# KiCad board KlusterLab r2.0.kicad_pcb (continued)
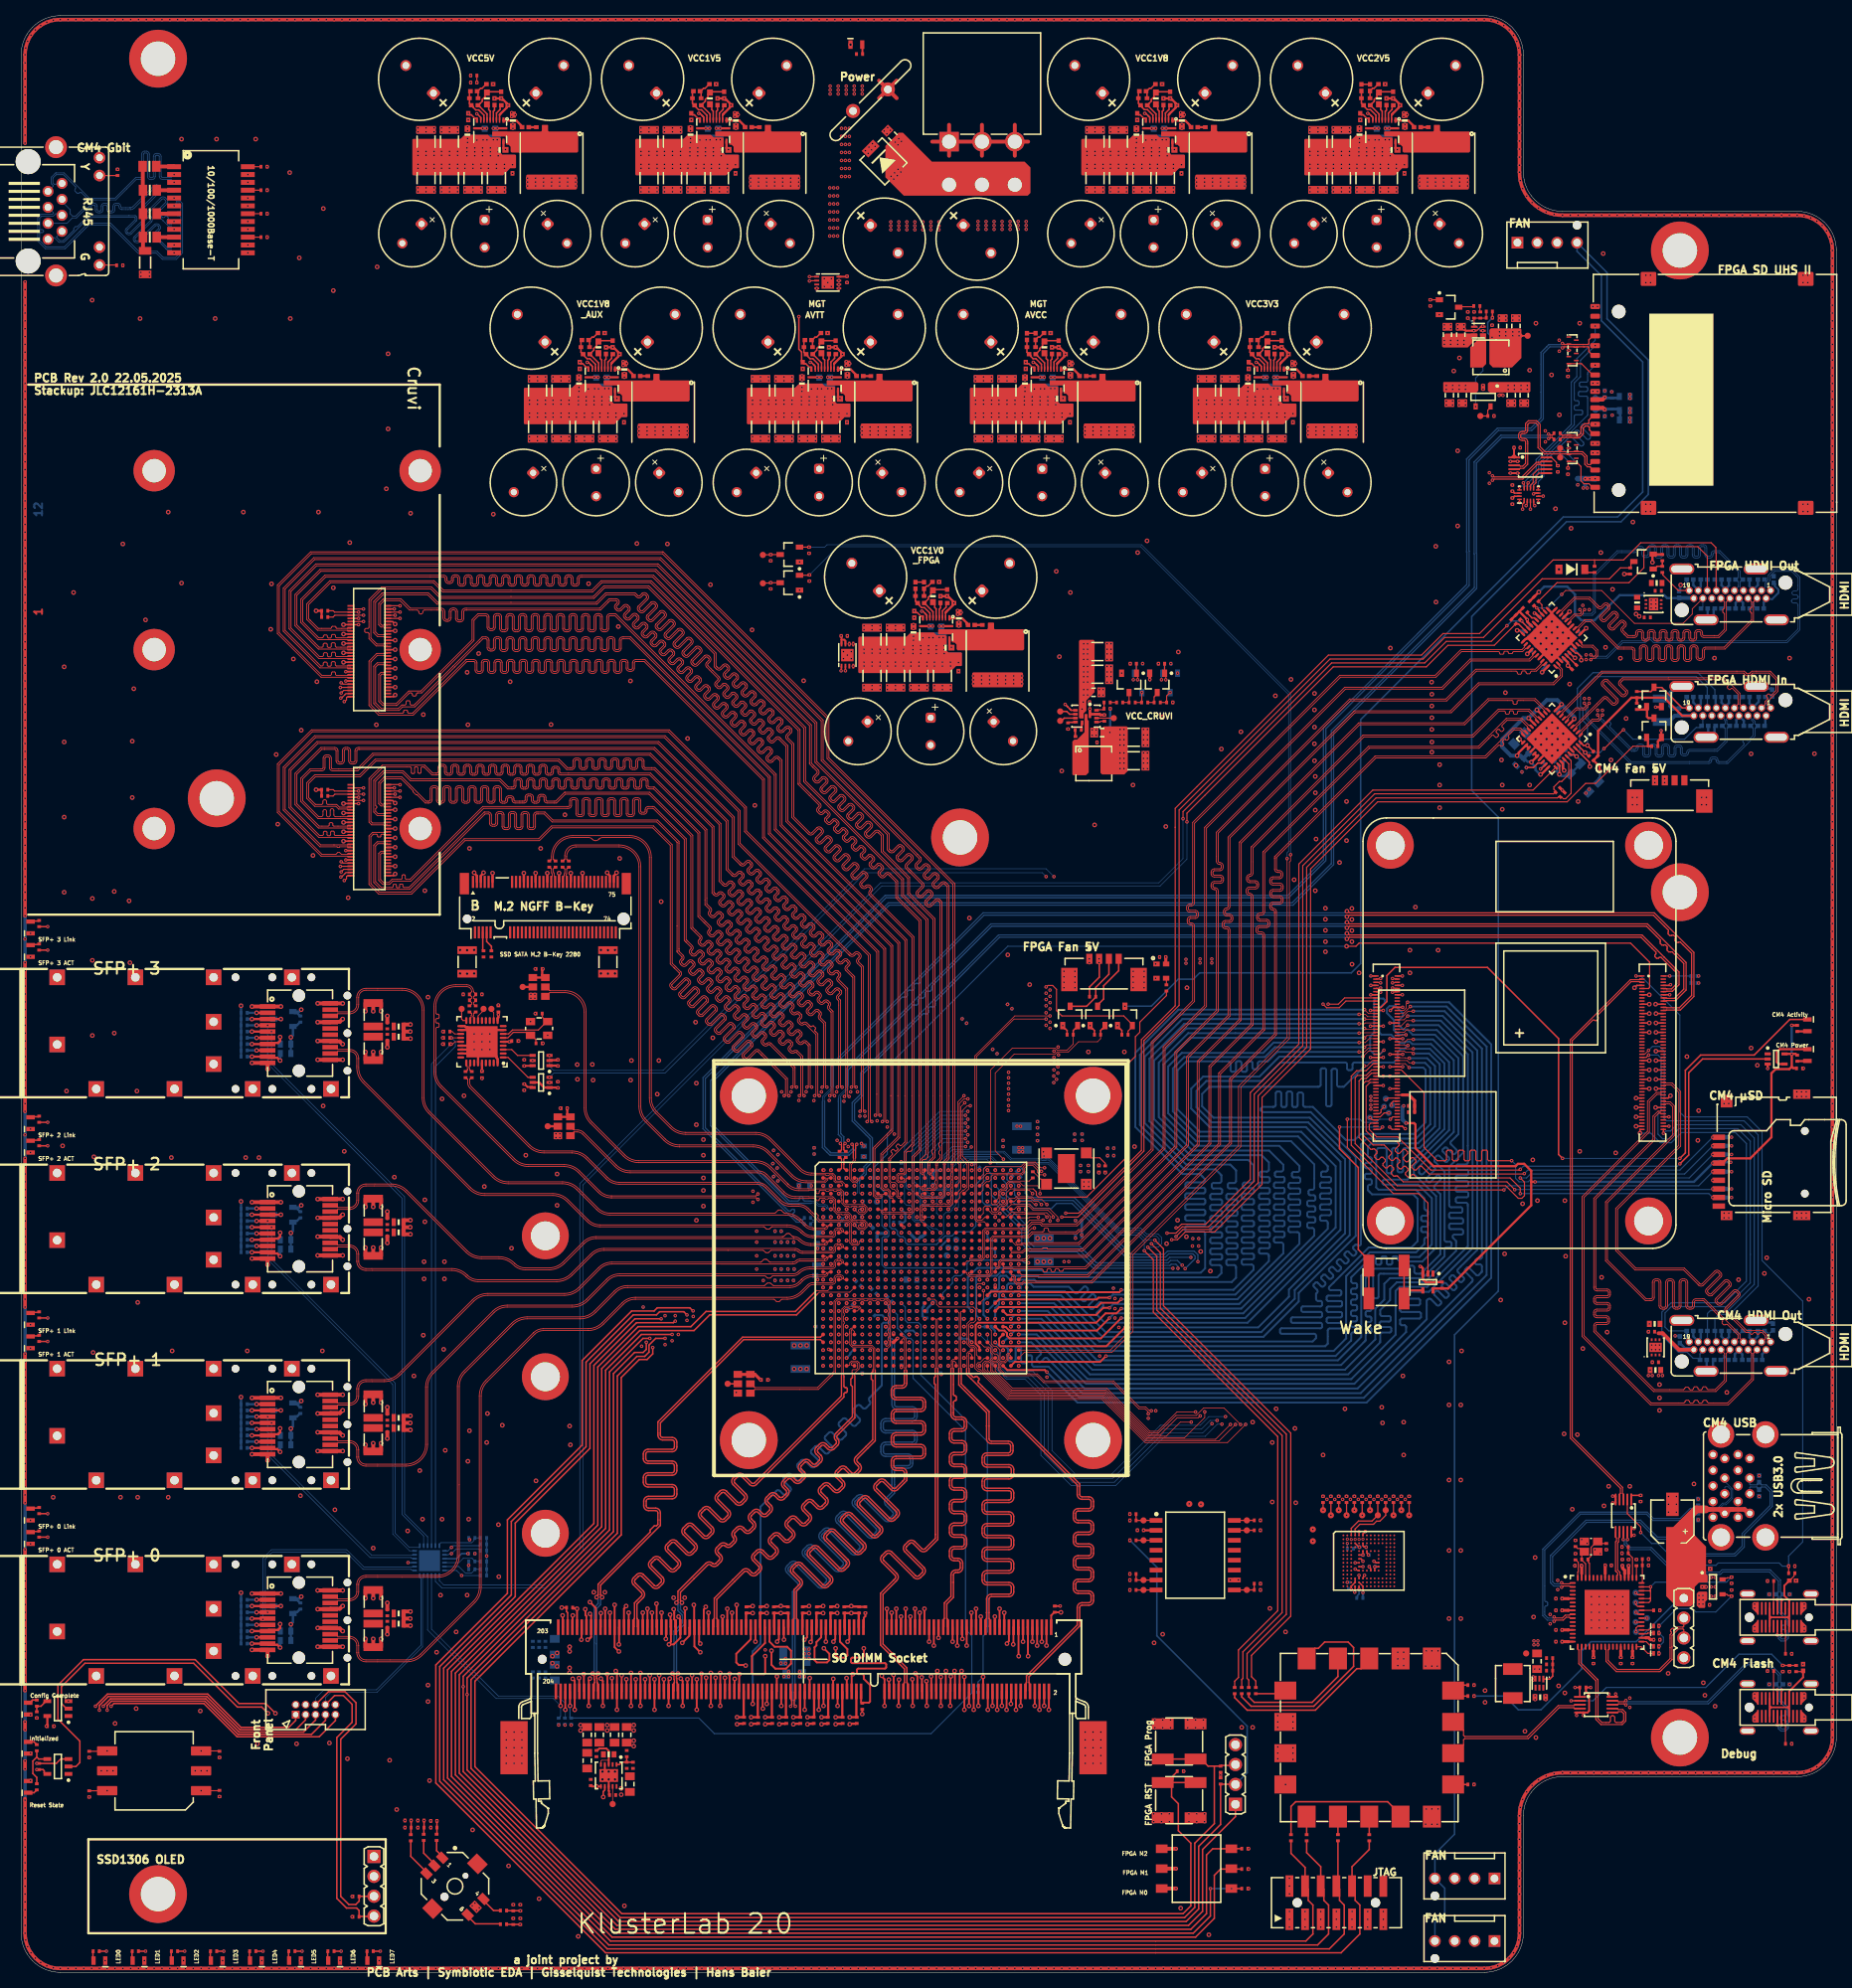
[diagram p0: board, top side]
## Routing (per net, layer and track width the routed paths; a pad name or vN(x,y) marks a point on that pad's centre or on a via; arc(x,y) is an arc through that point) (continued)
VTTDDR: length 5
  L1 Top w0.1: 75.1,27.1 74.2,27.1 74.1,27 U2.5
  L1 Top w0.25: U2.3 75.1,28.3 74.8,28.6 73.9,28.6 73.71,28.41 73.64,28.41 73.6,28.37
  vias: v2(67.9,40.4) v2(67.9,39.5) v2(68.5,40.8) v2(68.5,39.1)
VTTVREF: length 6.5
  L1 Top w0.249: J1.1 131.65,45.6 132.05,46.01 C16.1 132.1,46 132.9,46 v2(132.9,46)
  L1 Top w0.25: C9.1 72.85,23.86 72.96,23.75 U2.6 ; J1.126 91.78,35.93 91.78,38.08 v2(91.8,38.1)
  vias: v1(104.5,79.5) v1(105.5,84.5) v1(109.5,84.5) v1(112.5,78.5) v1(117.5,78.5) v1(119.5,83.5) v2(73.53,23.75)

## Copper pours and planes (outline as drawn; the poured copper is in the pictures)
5V_PI_HDMI on L1 Top: 208.28,80.65 209.08,80.65 209.08,81.05 209.78,81.75 209.78,83.25 209.08,83.25 209.08,82.65 208.58,82.15 208.58,81.35 208.28,81.05
5V_TX_HDMI on L1 Top: 209.4,174.65 209.4,177.95 210.1,177.95 212.2,175.85 214,175.85 214.1,175.75 214.1,175.25 214,175.15 210.5,175.15 210,174.65
+1V1 on L1 Top: 193.2,42.7 191.95,41.45 191.95,40.65 190.85,39.55 189.45,39.55 189.45,38 191.95,38 192.35,38.4 192.35,39.45 193.15,40.25 194.45,40.25 194.75,39.95 194.75,39.15 195.15,39.15 195.15,42.05 194.5,42.7
+1V1 on L6 Inner5 (PWR): 195.45,50.8 197.35,52.7 203.65,52.7 203.9,52.45 205.75,52.45 205.87,52.33 205.87,42.73 206.6,42 206.6,40.2 206.15,39.75 194.15,39.75 192.9,41.1 192.9,44.5 195.45,47.05
GND on L1 Top (solid shape): 222.05,47.31 221.41,47.31 221.25,47.15 221.25,46.45 221.85,45.85 222.05,45.85
GND on L1 Top (solid shape): 222.05,43.41 221.41,43.41 221.25,43.57 221.25,44.27 221.85,44.87 222.05,44.87
GND on L1 Top (solid shape): 222.05,35.81 221.41,35.81 221.25,35.65 221.25,34.95 221.85,34.35 222.05,34.35
GND on L1 Top (solid shape): 222.05,31.91 221.41,31.91 221.25,32.07 221.25,32.77 221.85,33.37 222.05,33.37
GND on L1 Top (solid shape): 227.4,47.31 228.04,47.31 228.2,47.15 228.2,46.45 227.6,45.85 227.4,45.85
GND on L1 Top (solid shape): 227.4,43.41 228.04,43.41 228.2,43.57 228.2,44.27 227.6,44.87 227.4,44.87
GND on L1 Top (solid shape): 227.4,35.81 228.04,35.81 228.2,35.65 228.2,34.95 227.6,34.35 227.4,34.35
GND on L1 Top (solid shape): 227.4,31.91 228.04,31.91 228.2,32.07 228.2,32.77 227.6,33.37 227.4,33.37
GND on L1 Top (solid shape): 112.15,235.05 110.45,233.35 110.45,229.35 112.8,227 128.65,227 129,227.35 129,230.6 128.25,231.35 116.4,231.35 112.7,235.05
GND on L1 Top (solid shape): 61.3,234.3 61.15,234.45 60,234.45 59.65,234.8 56.7,234.8 56.15,234.25 50.1,234.25 50,234.15 50,229.7 50.1,229.6 61.6,229.6 62.5,230.5 63.15,230.5 63.25,230.6 63.25,232.15 63.15,232.25 61.5,232.25 61.3,232.45
GND on L1 Top (solid shape): 75.55,202.5 75.4,202.65 74.25,202.65 73.9,203 70.95,203 70.4,202.45 64.35,202.45 64.25,202.35 64.25,197.9 64.35,197.8 75.85,197.8 76.75,198.7 77.4,198.7 77.5,198.8 77.5,200.35 77.4,200.45 75.75,200.45 75.55,200.65
GND on L1 Top (solid shape): 89.8,234.3 89.65,234.45 88.5,234.45 88.15,234.8 85.2,234.8 84.65,234.25 78.6,234.25 78.5,234.15 78.5,229.7 78.6,229.6 90.1,229.6 91,230.5 91.65,230.5 91.75,230.6 91.75,232.15 91.65,232.25 90,232.25 89.8,232.45
GND on L1 Top (solid shape): 104.05,202.5 103.9,202.65 102.75,202.65 102.4,203 99.45,203 98.9,202.45 92.85,202.45 92.75,202.35 92.75,197.9 92.85,197.8 104.35,197.8 105.25,198.7 105.9,198.7 106,198.8 106,200.35 105.9,200.45 104.25,200.45 104.05,200.65
GND on L1 Top (solid shape): 118.3,170.7 118.15,170.85 117,170.85 116.65,171.2 113.7,171.2 113.15,170.65 107.1,170.65 107,170.55 107,166.1 107.1,166 118.6,166 119.5,166.9 120.15,166.9 120.25,167 120.25,168.55 120.15,168.65 118.5,168.65 118.3,168.85
GND on L1 Top (solid shape): 132.55,202.5 132.4,202.65 131.25,202.65 130.9,203 127.95,203 127.4,202.45 121.35,202.45 121.25,202.35 121.25,197.9 121.35,197.8 132.85,197.8 133.75,198.7 134.4,198.7 134.5,198.8 134.5,200.35 134.4,200.45 132.75,200.45 132.55,200.65
GND on L1 Top (solid shape): 146.8,234.3 146.65,234.45 145.5,234.45 145.15,234.8 142.2,234.8 141.65,234.25 135.6,234.25 135.5,234.15 135.5,229.7 135.6,229.6 147.1,229.6 148,230.5 148.65,230.5 148.75,230.6 148.75,232.15 148.65,232.25 147,232.25 146.8,232.45
GND on L1 Top (solid shape): 161.05,202.5 160.9,202.65 159.75,202.65 159.4,203 156.45,203 155.9,202.45 149.85,202.45 149.75,202.35 149.75,197.9 149.85,197.8 161.35,197.8 162.25,198.7 162.9,198.7 163,198.8 163,200.35 162.9,200.45 161.25,200.45 161.05,200.65
GND on L1 Top (solid shape): 175.3,234.3 175.15,234.45 174,234.45 173.65,234.8 170.7,234.8 170.15,234.25 164.1,234.25 164,234.15 164,229.7 164.1,229.6 175.6,229.6 176.5,230.5 177.15,230.5 177.25,230.6 177.25,232.15 177.15,232.25 175.5,232.25 175.3,232.45
GND on L12 Bottom (solid shape): 61.3,234.7 61.2,234.8 56.7,234.8 56.15,234.25 50.1,234.25 50,234.15 50,229.7 50.1,229.6 61.6,229.6 62.5,230.5 63.15,230.5 63.25,230.6 63.25,232.15 63.15,232.25 61.5,232.25 61.3,232.45
GND on L12 Bottom (solid shape): 75.55,202.9 75.45,203 70.95,203 70.4,202.45 64.35,202.45 64.25,202.35 64.25,197.9 64.35,197.8 75.85,197.8 76.75,198.7 77.4,198.7 77.5,198.8 77.5,200.35 77.4,200.45 75.75,200.45 75.55,200.65
GND on L12 Bottom (solid shape): 89.8,234.7 89.7,234.8 85.2,234.8 84.65,234.25 78.6,234.25 78.5,234.15 78.5,229.7 78.6,229.6 90.1,229.6 91,230.5 91.65,230.5 91.75,230.6 91.75,232.15 91.65,232.25 90,232.25 89.8,232.45
GND on L12 Bottom (solid shape): 104.05,202.9 103.95,203 99.45,203 98.9,202.45 92.85,202.45 92.75,202.35 92.75,197.9 92.85,197.8 104.35,197.8 105.25,198.7 105.9,198.7 106,198.8 106,200.35 105.9,200.45 104.25,200.45 104.05,200.65
GND on L12 Bottom (solid shape): 118.3,171.1 118.2,171.2 113.7,171.2 113.15,170.65 107.1,170.65 107,170.55 107,166.1 107.1,166 118.6,166 119.5,166.9 120.15,166.9 120.25,167 120.25,168.55 120.15,168.65 118.5,168.65 118.3,168.85
GND on L12 Bottom (solid shape): 132.55,202.9 132.45,203 127.95,203 127.4,202.45 121.35,202.45 121.25,202.35 121.25,197.9 121.35,197.8 132.85,197.8 133.75,198.7 134.4,198.7 134.5,198.8 134.5,200.35 134.4,200.45 132.75,200.45 132.55,200.65
GND on L12 Bottom (solid shape): 146.8,234.7 146.7,234.8 142.2,234.8 141.65,234.25 135.6,234.25 135.5,234.15 135.5,229.7 135.6,229.6 147.1,229.6 148,230.5 148.65,230.5 148.75,230.6 148.75,232.15 148.65,232.25 147,232.25 146.8,232.45
GND on L12 Bottom (solid shape): 161.05,202.9 160.95,203 156.45,203 155.9,202.45 149.85,202.45 149.75,202.35 149.75,197.9 149.85,197.8 161.35,197.8 162.25,198.7 162.9,198.7 163,198.8 163,200.35 162.9,200.45 161.25,200.45 161.05,200.65
GND on L12 Bottom (solid shape): 175.3,234.7 175.2,234.8 170.7,234.8 170.15,234.25 164.1,234.25 164,234.15 164,229.7 164.1,229.6 175.6,229.6 176.5,230.5 177.15,230.5 177.25,230.6 177.25,232.15 177.15,232.25 175.5,232.25 175.3,232.45
GND on L1 Top: 74.7,28.2 74.1,28.2 74.1,28 73.8,27.7 73.3,27.7 73.3,26.9 73,26.6 71.7,26.6 71.7,25.3 72.5,24.5 73.7,24.5 73.9,24.3 77,24.3 77.2,24.5 78.4,24.5 78.4,26.2 76.6,26.2 76.4,26 73.9,26 73.7,26.2 73.7,27 74.1,27.4 74.7,27.4
GND on L1 Top: 71.2,31.6 71.5,31.9 78.3,31.9 78.6,31.6 78.6,30.9 78.3,30.6 71.5,30.6 71.2,30.9
GND on L1 Top: 1.46,1.46 0,5 0,245 1.46,248.54 5,250 187,250 190.54,248.54 192,245 192,230 193.46,226.46 197,225 227,225 230.54,223.54 232,220 232,30 230.54,26.46 227,25 197,25 193.46,23.54 192,20 192,5 190.54,1.46 187,0 5,0
GND on L1 Top: 193.15,39.25 194.35,39.25 194.35,39.05 194.61,38.79 195.15,38.79 195.15,38.3 195.1,38.25 194.35,38.25 194.19,38.09 194.19,37.15 193.91,37.15 193.91,38.09 193.75,38.25 193.15,38.25
GND on L1 Top: 208.38,83.25 208.38,82.45 208.18,82.25 208.18,81.25 208.08,81.15 208.08,80.45 209.68,80.45 209.68,79.25 208.58,79.25 208.58,78.35 208.68,78.25 208.68,76.05 208.58,75.95 207.88,75.95 207.78,76.05 207.78,83.25
GND on L1 Top: 194.45,36.75 194.45,34.75 194.6,34.6 195.1,34.6 195.2,34.7 195.2,35.5 194.65,36.05 194.65,36.75
GND on L1 Top: 206.1,175.35 207.3,175.35 207.5,175.15 207.9,175.15 208,175.05 208,172.85 208.5,172.85 209.2,173.55 209.2,176.05 209,176.25 209,177.65 208.7,177.95 206.7,177.95 206.1,177.35
GND on L12 Bottom: 192.28,157.6 195.63,160.95 199.07,157.52 195.72,154.17
GND on L12 Bottom: 192.25,170.5 195.6,173.85 198.95,170.5 195.6,167.15
GND on L12 Bottom: 1.46,1.46 0,5 0,245 1.46,248.54 5,250 187,250 190.54,248.54 192,245 192,230 193.46,226.46 197,225 227,225 230.54,223.54 232,220 232,30 230.54,26.46 227,25 197,25 193.46,23.54 192,20 192,5 190.54,1.46 187,0 5,0
GND on L12 Bottom: 65.2,42.1 68.6,42.1 70,40.7 70.3,40.7 70.4,40.8 70.4,41.8 69.1,43.1 65.8,43.1 65.2,42.5
GND on L2 Inner1 (GND): 1.46,1.46 0,5 0,245 1.46,248.54 5,250 187,250 190.54,248.54 192,245 192,230 193.46,226.46 197,225 227,225 230.54,223.54 232,220 232,30 230.54,26.46 227,25 197,25 193.46,23.54 192,20 192,5 190.54,1.46 187,0 5,0
GND on L3 Inner2 (Sig): 1.46,1.46 0,5 0,245 1.46,248.54 5,250 187,250 190.54,248.54 192,245 192,230 193.46,226.46 197,225 227,225 230.54,223.54 232,220 232,30 230.54,26.46 227,25 197,25 193.46,23.54 192,20 192,5 190.54,1.46 187,0 5,0
GND on L4 Inner3 (GND): 1.46,1.46 0,5 0,245 1.46,248.54 5,250 187,250 190.54,248.54 192,245 192,230 193.46,226.46 197,225 227,225 230.54,223.54 232,220 232,30 230.54,26.46 227,25 197,25 193.46,23.54 192,20 192,5 190.54,1.46 187,0 5,0
GND on L7 Inner6 (PWR): 58.79,85.69 58.25,85.15 0,85.15 0,245 1.46,248.54 5,250 187,250 190.54,248.54 192,245 192,230 193.46,226.46 197,225 227,225 230.54,223.54 232,220 232,193.7 188.3,193.7 185.9,196.1 185.9,229.4 185.09,230.2 165.9,230.2 148.95,213.25 148.9,198.35 59.4,198.35 58.79,197.75
GND on L9 Inner8 (GND): 1.46,1.46 0,5 0,245 1.46,248.54 5,250 187,250 190.54,248.54 192,245 192,230 193.46,226.46 197,225 227,225 230.54,223.54 232,220 232,30 230.54,26.46 227,25 197,25 193.46,23.54 192,20 192,5 190.54,1.46 187,0 5,0
GND on L10 Inner9 (Sig): 1.46,1.46 0,5 0,245 1.46,248.54 5,250 187,250 190.54,248.54 192,245 192,230 193.46,226.46 197,225 227,225 230.54,223.54 232,220 232,30 230.54,26.46 227,25 197,25 193.46,23.54 192,20 192,5 190.54,1.46 187,0 5,0
GND on L11 Inner10 (GND): 1.46,1.46 0,5 0,245 1.46,248.54 5,250 187,250 190.54,248.54 192,245 192,230 193.46,226.46 197,225 227,225 230.54,223.54 232,220 232,30 230.54,26.46 227,25 197,25 193.46,23.54 192,20 192,5 190.54,1.46 187,0 5,0
VCC1V0_FPGA on L1 Top: 107,165.65 107.1,165.75 118.6,165.75 119.6,166.75 128.05,166.75 128.2,166.6 128.2,164.05 126,161.85 126,159.5 125,158.5 107.5,158.5 107,159
VCC1V0_FPGA on L12 Bottom: 121.25,165.65 121.35,165.75 132.85,165.75 133.85,166.75 142.3,166.75 142.45,166.6 142.45,164.05 140.25,161.85 140.25,159.5 139.25,158.5 121.75,158.5 121.25,159
VCC1V0_FPGA on L6 Inner5 (PWR): 86.5,166.5 129.2,166.5 134.42,160.65 144.45,160.65 148,157.1 148,140.4 148,101.5 132.5,86 106.5,86 105.3,87.2 93.9,87.2 85.8,95.33 85.8,165.8
VCC1V5 on L1 Top: 75.5,26.3 75.5,28.5 75.2,28.8 75.2,29.9 78.3,29.9 78.6,29.6 78.6,28.9 78.3,28.6 77.9,28.6 77.7,28.4 77.7,28.2 77,28.2 75.7,26.9 75.7,26.3
VCC1V5 on L1 Top: 78.5,229.25 78.6,229.35 90.1,229.35 91.1,230.35 99.55,230.35 99.7,230.2 99.7,227.65 97.5,225.45 97.5,223.1 96.5,222.1 79,222.1 78.5,222.6
VCC1V5 on L12 Bottom: 78.5,229.25 78.6,229.35 90.1,229.35 91.1,230.35 99.55,230.35 99.7,230.2 99.7,227.65 97.5,225.45 97.5,223.1 96.5,222.1 79,222.1 78.5,222.6
VCC1V5 on L12 Bottom: 65.2,37.8 68.6,37.8 70,39.2 70.3,39.2 70.4,39.1 70.4,38.1 69.1,36.8 65.8,36.8 65.2,37.4
VCC1V5 on L6 Inner5 (PWR): 67.5,218.55 78.95,230 99.85,230 100.4,229.45 100.4,210.05 85.3,194.95 85.3,95.2 93.7,86.8 105.4,86.8 106.5,85.7 132.5,85.7 132.5,39.9 121.1,28.5 72.5,28.5 67.5,33.5
VCC1V8 on L1 Top: 135.5,229.25 135.6,229.35 147.1,229.35 148.1,230.35 156.55,230.35 156.7,230.2 156.7,227.65 154.5,225.45 154.5,223.1 153.5,222.1 136,222.1 135.5,222.6
VCC1V8 on L12 Bottom: 135.5,229.25 135.6,229.35 147.1,229.35 148.1,230.35 156.55,230.35 156.7,230.2 156.7,227.65 154.5,225.45 154.5,223.1 153.5,222.1 136,222.1 135.5,222.6
VCC1V8 on L5 Inner4 (PWR): 1.46,1.46 0,5 0,245 1.46,248.54 5,250 187,250 190.54,248.54 192,245 192,230 193.46,226.46 197,225 227,225 230.54,223.54 232,220 232,30 230.54,26.46 227,25 197,25 193.46,23.54 192,20 192,5 190.54,1.46 187,0 5,0
VCC1V8_AUX on L1 Top: 64.25,197.45 64.35,197.55 75.85,197.55 76.85,198.55 85.3,198.55 85.45,198.4 85.45,195.85 83.25,193.65 83.25,191.3 82.25,190.3 64.75,190.3 64.25,190.8
VCC1V8_AUX on L12 Bottom: 64.25,197.45 64.35,197.55 75.85,197.55 76.85,198.55 85.3,198.55 85.45,198.4 85.45,195.85 83.25,193.65 83.25,191.3 82.25,190.3 64.75,190.3 64.25,190.8
VCC1V8_AUX on L7 Inner6 (PWR): 106.5,90.8 107,91.3 107,91.7 107.29,91.99 107.89,91.99 108.3,92.4 108.3,92.6 108.4,92.7 113.6,92.7 113.7,92.6 113.7,86.7 113.4,86.4 107.4,86.4 106.2,85.2 59.5,85.2 59,85.7 59,197.7 59.45,198.15 86.28,198.15 86.7,197.75 86.7,194.45 80.9,188.65 80.9,106.9 97,90.8
VCC2V5 on L1 Top: 164,229.25 164.1,229.35 175.6,229.35 176.6,230.35 185.05,230.35 185.2,230.2 185.2,227.65 183,225.45 183,223.1 182,222.1 164.5,222.1 164,222.6
VCC2V5 on L12 Bottom: 164,229.25 164.1,229.35 175.6,229.35 176.6,230.35 185.05,230.35 185.2,230.2 185.2,227.65 183,225.45 183,223.1 182,222.1 164.5,222.1 164,222.6
VCC2V5 on L7 Inner6 (PWR): 1.46,1.46 0,5 0,84.9 106.7,84.9 107.9,86.1 113.7,86.1 114,86.4 114,94 114.2,94.2 123.8,94.2 149.15,119.55 149.15,213.15 166,230 185,230 185.72,229.28 185.72,195.98 188.2,193.5 232,193.5 232,30 230.54,26.46 227,25 197,25 193.46,23.54 192,20 192,5 190.54,1.46 187,0 5,0
VCC3V3 on L1 Top (solid shape): 186.25,203 186.05,203.2 181.83,203.2 181.75,203.13 181.75,202 181.9,201.85 186,201.85 186.25,202.1
VCC3V3 on L1 Top: 74.8,133.7 74.8,131.7 74.2,131.1 73.7,131.1 73.7,130.1 76.3,130.1 76.3,133.6 76.2,133.7
VCC3V3 on L1 Top: 193.95,36.75 193.95,35.85 193.75,35.65 193.25,35.65 193.15,35.55 193.15,34.75 193.3,34.6 193.95,34.6 194.15,34.8 194.15,36.75
VCC3V3 on L1 Top: 76.1,24.1 76.7,24.1 77.2,23.6 78.4,23.6 78.4,22.5 77.1,22.5 76.9,22.3 75.8,22.3 75.8,23 76,23.2 76,24
VCC3V3 on L1 Top: 57.8,133.7 55.7,131.6 55.7,130.1 56.3,129.5 60.4,129.5 60.4,130 58.8,130 58.6,130.2 58.6,133.7
VCC3V3 on L1 Top: 149.75,197.45 149.85,197.55 161.35,197.55 162.35,198.55 170.8,198.55 170.95,198.4 170.95,195.85 168.75,193.65 168.75,191.3 167.75,190.3 150.25,190.3 149.75,190.8
VCC3V3 on L12 Bottom: 149.75,197.45 149.85,197.55 161.35,197.55 162.35,198.55 170.8,198.55 170.95,198.4 170.95,195.85 168.75,193.65 168.75,191.3 167.75,190.3 150.25,190.3 149.75,190.8
VCC3V3 on L8 Inner7 (PWR): 1.46,1.46 0,5 0,245 1.46,248.54 5,250 187,250 190.54,248.54 192,245 192,230 193.46,226.46 197,225 227,225 230.54,223.54 232,220 232,30 230.54,26.46 227,25 197,25 193.46,23.54 192,20 192,5 190.54,1.46 187,0 5,0
VCC3V3_SD on L1 Top (solid shape): 187.45,203 187.65,203.2 192.83,203.2 192.9,203.12 192.9,202 192.75,201.85 187.7,201.85 187.45,202.1
VCC3V3_SD on L3 Inner2 (Sig) (solid shape): 204.65,198.84 205.81,198.84 205.95,198.7 205.95,197.95 205.8,197.8 205.05,197.8 204.65,198.2
VCC3V3_SD on L3 Inner2 (Sig) (solid shape): 189.65,202.95 189.75,203.05 192.7,203.05 192.88,202.88 192.88,202.17 192.65,201.95 189.75,201.95 189.65,202.05
VCC5V on L1 Top (solid shape): 182.05,209.4 181.6,208.95 181.6,207.75 181.75,207.6 184.9,207.6 186.15,208.85 186.15,209.34 186.09,209.4
VCC5V on L1 Top (solid shape): 214.15,48.4 214.4,48.65 215.4,48.65 215.5,48.55 215.5,47.6 215.25,47.35 215.25,46.65 215.15,46.55 214.45,46.55 214.15,46.85
VCC5V on L1 Top (solid shape): 135.34,170.25 135.2,170.11 135.2,160.3 135.3,160.2 135.78,160.2 135.78,160.83 136.15,161.2 136.15,162.51 137.2,163.56 137.2,170.1 137.05,170.25
VCC5V on L1 Top: 173.5,112.2 172.4,112.2 172.2,112 172.2,110.2 172.4,110 173.5,110
VCC5V on L1 Top: 50,229.25 50.1,229.35 61.6,229.35 62.6,230.35 71.05,230.35 71.2,230.2 71.2,227.65 69,225.45 69,223.1 68,222.1 50.5,222.1 50,222.6
VCC5V on L1 Top: 206.1,174.75 207.2,174.75 207.4,174.95 207.8,174.95 207.8,173.95 207.7,173.85 207.7,172.85 207.6,172.75 206.6,172.75 206.1,173.25
VCC5V on L1 Top: 208.78,79.05 209.68,79.05 209.68,77.55 209.98,77.25 209.98,76.05 209.88,75.95 209.18,75.95 209.08,76.05 209.08,78.25 208.78,78.55
VCC5V on L12 Bottom: 137.5,129.6 137.8,129.9 143.8,129.9 144.51,130.61 147.62,130.63 148.35,129.9 152.45,129.9 152.6,129.75 152.6,128.65 152.45,128.5 148.55,128.5 147.8,127.75 144.28,127.75 143.53,128.5 137.8,128.5 137.5,128.8
VCC5V on L12 Bottom: 50,229.25 50.1,229.35 61.6,229.35 62.6,230.35 71.05,230.35 71.2,230.2 71.2,227.65 69,225.45 69,223.1 68,222.1 50.5,222.1 50,222.6
VCC5V on L6 Inner5 (PWR): 1.46,1.46 0,5 0,245 1.46,248.54 5,250 187,250 190.54,248.54 192,245 192,230 193.46,226.46 197,225 227,225 230.54,223.54 232,220 232,30 230.54,26.46 227,25 197,25 193.46,23.54 192,20 192,5 190.54,1.46 187,0 5,0
VCC12V on L1 Top: 149.75,207.8 152,210.05 153.15,210.05 156.25,206.95 156.25,204.55 156.4,204.4 161.65,204.4 161.8,204.55 162.9,204.55 163.1,204.35 163.1,203.6 163,203.5 159.7,203.5 159.4,203.2 156.35,203.2 155.8,202.65 149.85,202.65 149.75,202.75
VCC12V on L1 Top: 135.5,239.6 137.75,241.85 138.9,241.85 142,238.75 142,236.35 142.15,236.2 147.4,236.2 147.55,236.35 148.65,236.35 148.85,236.15 148.85,235.4 148.75,235.3 145.45,235.3 145.15,235 142.1,235 141.55,234.45 135.6,234.45 135.5,234.55
VCC12V on L1 Top: 121.25,176 123.5,178.25 124.65,178.25 127.75,175.15 127.75,172.75 127.9,172.6 133.15,172.6 133.3,172.75 134.4,172.75 134.6,172.55 134.6,171.8 134.5,171.7 131.2,171.7 130.9,171.4 127.85,171.4 127.3,170.85 121.35,170.85 121.25,170.95
VCC12V on L1 Top: 108.4,243.1 107.16,244.34 107.16,245.5 107.06,245.6 103.65,245.6 102.5,244.45 102.5,221.5 103,221 128.75,221 129,221.25 129,226.3 128.65,226.65 112.55,226.65 110.05,229.15 110.05,233.47 111.9,235.32 111.9,235.85 108.4,239.35
VCC12V on L1 Top: 50,239.6 52.25,241.85 53.4,241.85 56.5,238.75 56.5,236.35 56.65,236.2 61.9,236.2 62.05,236.35 63.15,236.35 63.35,236.15 63.35,235.4 63.25,235.3 59.95,235.3 59.65,235 56.6,235 56.05,234.45 50.1,234.45 50,234.55
VCC12V on L1 Top: 164,239.6 166.25,241.85 167.4,241.85 170.5,238.75 170.5,236.35 170.65,236.2 175.9,236.2 176.05,236.35 177.15,236.35 177.35,236.15 177.35,235.4 177.25,235.3 173.95,235.3 173.65,235 170.6,235 170.05,234.45 164.1,234.45 164,234.55
VCC12V on L1 Top: 92.75,207.8 95,210.05 96.15,210.05 99.25,206.95 99.25,204.55 99.4,204.4 104.65,204.4 104.8,204.55 105.9,204.55 106.1,204.35 106.1,203.6 106,203.5 102.7,203.5 102.4,203.2 99.35,203.2 98.8,202.65 92.85,202.65 92.75,202.75
VCC12V on L1 Top: 64.25,207.8 66.5,210.05 67.65,210.05 70.75,206.95 70.75,204.55 70.9,204.4 76.15,204.4 76.3,204.55 77.4,204.55 77.6,204.35 77.6,203.6 77.5,203.5 74.2,203.5 73.9,203.2 70.85,203.2 70.3,202.65 64.35,202.65 64.25,202.75
VCC12V on L1 Top: 121.25,207.8 123.5,210.05 124.65,210.05 127.75,206.95 127.75,204.55 127.9,204.4 133.15,204.4 133.3,204.55 134.4,204.55 134.6,204.35 134.6,203.6 134.5,203.5 131.2,203.5 130.9,203.2 127.85,203.2 127.3,202.65 121.35,202.65 121.25,202.75
VCC12V on L1 Top: 78.5,239.6 80.75,241.85 81.9,241.85 85,238.75 85,236.35 85.15,236.2 90.4,236.2 90.55,236.35 91.65,236.35 91.85,236.15 91.85,235.4 91.75,235.3 88.45,235.3 88.15,235 85.1,235 84.55,234.45 78.6,234.45 78.5,234.55
VCC12V on L12 Bottom: 135.6,234.45 135.5,234.55 135.5,239.6 137.75,241.85 151.5,241.85 152.75,240.6 152.75,239.3 148.45,235 142.1,235 141.55,234.45
VCC12V on L12 Bottom: 64.35,202.65 64.25,202.75 64.25,207.8 66.5,210.05 80.25,210.05 81.5,208.8 81.5,207.5 77.2,203.2 70.85,203.2 70.3,202.65
VCC12V on L12 Bottom: 121.35,170.85 121.25,170.95 121.25,176 123.5,178.25 137.25,178.25 138.5,177 138.5,175.7 134.2,171.4 127.85,171.4 127.3,170.85
VCC12V on L12 Bottom: 50.1,234.45 50,234.55 50,239.6 52.25,241.85 66,241.85 67.25,240.6 67.25,239.3 62.95,235 56.6,235 56.05,234.45
VCC12V on L12 Bottom: 164.1,234.45 164,234.55 164,239.6 166.25,241.85 180,241.85 181.25,240.6 181.25,239.3 176.95,235 170.6,235 170.05,234.45
VCC12V on L12 Bottom: 92.85,202.65 92.75,202.75 92.75,207.8 95,210.05 108.75,210.05 110,208.8 110,207.5 105.7,203.2 99.35,203.2 98.8,202.65
VCC12V on L12 Bottom: 78.6,234.45 78.5,234.55 78.5,239.6 80.75,241.85 94.5,241.85 95.75,240.6 95.75,239.3 91.45,235 85.1,235 84.55,234.45
VCC12V on L12 Bottom: 121.35,202.65 121.25,202.75 121.25,207.8 123.5,210.05 137.25,210.05 138.5,208.8 138.5,207.5 134.2,203.2 127.85,203.2 127.3,202.65
VCC12V on L12 Bottom: 50.1,234.45 50,234.55 50,239.6 52.25,241.85 66,241.85 67.25,240.6 67.25,239.3 62.95,235 56.6,235 56.05,234.45
VCC12V on L12 Bottom: 149.85,202.65 149.75,202.75 149.75,207.8 152,210.05 165.75,210.05 167,208.8 167,207.5 162.7,203.2 156.35,203.2 155.8,202.65
VCC12V on L3 Inner2 (Sig): 187.5,247.5 187.5,179.6 174.9,167 98.9,167 85.8,180.1 85.8,188.6 77.7,196.7 46.1,196.7 44.2,198.6 44.2,246.95 45.25,248 187,248
VCC_CRUVI_ADJ on L1 Top (solid shape): 138.35,159.2 141.3,159.2 141.45,159.05 141.45,153.5 141,153.05 138.15,153.05 137.95,153.25 137.95,158.8
VCC_CRUVI_ADJ on L8 Inner7 (PWR): 46.99,140.01 46.99,150.06 48.2,151.26 48.2,154.25 45.26,157.19 45.26,171.29 47.37,173.4 57.82,173.4 71.47,159.74 131.84,159.66 133.15,158.35 134.25,158.35 135.55,159.65 140.9,159.65 142,158.55 141.9,131.61 141.9,120.85 140.7,119.65 128.8,119.65 124.14,114.99 124.14,105.52 122.1,103.49 122.1,93.04 116.76,87.7 116.76,86.49 117.81,85.5 128.45,85.5 168.36,42.6 175.7,42.6 177.4,40.9 177.4,38.65 176.7,37.95 164.1,37.95 141.85,60.2 129.11,60.2 117.81,71.49 102.51,71.49 89.5,84.5 89.5,101.26 84.7,106.06 84.7,123.9 70.49,138.11 48.89,138.11
VCC_USB on L1 Top (solid shape): 215.45,49.8 215.55,49.9 215.55,50.7 215.35,50.9 215.35,54.4 213.7,56.05 213.7,58.2 212.5,58.2 210.25,55.95 210.25,48.05 211.55,46.75 213.4,46.75 213.9,47.25 213.9,49.25 214.45,49.8
VCCADJ_SD on L1 Top (solid shape): 187.85,210.06 187.65,209.86 187.65,205.5 188.1,205.05 190.55,205.05 191.75,206.25 191.75,209.9 191.6,210.05 190.35,210.05
VCCADJ_SD on L3 Inner2 (Sig) (solid shape): 187.65,209.85 187.86,210.06 191.6,210.06 191.95,209.7 191.82,209.57 191.82,208.93 191.55,208.65 189.35,208.65 189.15,208.45 188.75,208.45 188.6,208.6 187.85,208.6 187.65,208.8
CM4_1V8 on L1 Top: 175.5,110.2 177.4,110.2 177.5,110.1 177.5,109.7 177.4,109.6 175.5,109.6
CM4_3V3 on L1 Top: 175.5,111 177.4,111 177.5,110.9 177.5,110.5 177.4,110.4 175.5,110.4
MGTAVCC on L1 Top: 121.25,197.45 121.35,197.55 132.85,197.55 133.85,198.55 142.3,198.55 142.45,198.4 142.45,195.85 140.25,193.65 140.25,191.3 139.25,190.3 121.75,190.3 121.25,190.8
MGTAVCC on L12 Bottom: 121.25,197.45 121.35,197.55 132.85,197.55 133.85,198.55 142.3,198.55 142.45,198.4 142.45,195.85 140.25,193.65 140.25,191.3 139.25,190.3 121.75,190.3 121.25,190.8
MGTAVCC on L7 Inner6 (PWR): 117.3,198.15 116.75,197.6 116.75,195.4 106.2,184.85 106.2,92.9 106.9,92.2 107.8,92.2 108.6,93 113.25,93 113.8,93.55 113.8,94.05 114.25,94.5 123.51,94.5 148.9,119.89 148.9,198.15
MGTAVTT on L1 Top: 92.75,197.45 92.85,197.55 104.35,197.55 105.35,198.55 113.8,198.55 113.95,198.4 113.95,195.85 111.75,193.65 111.75,191.3 110.75,190.3 93.25,190.3 92.75,190.8
MGTAVTT on L12 Bottom: 92.75,197.45 92.85,197.55 104.35,197.55 105.35,198.55 113.8,198.55 113.95,198.4 113.95,195.85 111.75,193.65 111.75,191.3 110.75,190.3 93.25,190.3 92.75,190.8
MGTAVTT on L7 Inner6 (PWR): 106.45,91.1 106.75,91.4 106.75,91.85 105.9,92.7 105.9,184.9 116.5,195.5 116.5,197.6 115.95,198.15 87.3,198.15 86.9,197.75 86.9,194.25 81.3,188.65 81.3,107 97.2,91.1
NetC70_2 on L1 Top (solid shape): 124.45,171.6 124.35,171.7 124.35,172.4 124.3,172.45 123.6,172.45 123.55,172.4 123.55,171.7 123.45,171.6 117.25,171.6 117.2,171.55 117.2,171 117.25,170.95 118.85,170.95 118.95,170.85 118.95,170 119.05,169.9 119.3,169.9 119.55,169.65 119.55,169.05 119.7,168.9 128.05,168.9 128.2,169.05 128.2,171.5 128.1,171.6
NetC87_1 on L1 Top: 47.4,44.3 47.1,44.6 46.5,44.6 46.3,44.4 46.3,44.1 46,43.8 41.4,43.8 40.7,44.5 38.5,44.5 38.5,45.1 48,45.1 48,44 47.4,44
NetC89_1 on L1 Top: 47.4,46.1 47.1,45.8 46.5,45.8 46.3,46 46.3,46.3 46.2,46.4 41.2,46.4 40.7,45.9 38.5,45.9 38.5,45.3 48,45.3 48,46.4 47.4,46.4
NetC91_1 on L1 Top: 47.4,69.3 47.1,69.6 46.5,69.6 46.3,69.4 46.3,69.1 46,68.8 41.4,68.8 40.7,69.5 38.5,69.5 38.5,70.1 48,70.1 48,69 47.4,69
NetC93_1 on L1 Top: 47.4,71.1 47.1,70.8 46.5,70.8 46.3,71 46.3,71.3 46.2,71.4 41.2,71.4 40.7,70.9 38.5,70.9 38.5,70.3 48,70.3 48,71.4 47.4,71.4
NetC95_1 on L1 Top: 47.4,94.3 47.1,94.6 46.5,94.6 46.3,94.4 46.3,94.1 46,93.8 41.4,93.8 40.7,94.5 38.5,94.5 38.5,95.1 48,95.1 48,94 47.4,94
NetC97_1 on L1 Top: 47.4,96.1 47.1,95.8 46.5,95.8 46.3,96 46.3,96.3 46.2,96.4 41.2,96.4 40.7,95.9 38.5,95.9 38.5,95.3 48,95.3 48,96.4 47.4,96.4
NetC99_1 on L1 Top: 47.4,119.3 47.1,119.6 46.5,119.6 46.3,119.4 46.3,119.1 46,118.8 41.4,118.8 40.7,119.5 38.5,119.5 38.5,120.1 48,120.1 48,119 47.4,119
NetC101_1 on L1 Top: 47.4,121.1 47.1,120.8 46.5,120.8 46.3,121 46.3,121.3 46.2,121.4 41.2,121.4 40.7,120.9 38.5,120.9 38.5,120.3 48,120.3 48,121.4 47.4,121.4
NetC289_2 on L1 Top (solid shape): 67.45,235.2 67.35,235.3 67.35,236 67.3,236.05 66.6,236.05 66.55,236 66.55,235.3 66.45,235.2 60.25,235.2 60.2,235.15 60.2,234.6 60.25,234.55 61.85,234.55 61.95,234.45 61.95,233.6 62.05,233.5 62.3,233.5 62.55,233.25 62.55,232.65 62.7,232.5 71.05,232.5 71.2,232.65 71.2,235.1 71.1,235.2
NetC316_2 on L1 Top (solid shape): 152.95,235.2 152.85,235.3 152.85,236 152.8,236.05 152.1,236.05 152.05,236 152.05,235.3 151.95,235.2 145.75,235.2 145.7,235.15 145.7,234.6 145.75,234.55 147.35,234.55 147.45,234.45 147.45,233.6 147.55,233.5 147.8,233.5 148.05,233.25 148.05,232.65 148.2,232.5 156.55,232.5 156.7,232.65 156.7,235.1 156.6,235.2
NetC343_2 on L1 Top (solid shape): 81.7,203.4 81.6,203.5 81.6,204.2 81.55,204.25 80.85,204.25 80.8,204.2 80.8,203.5 80.7,203.4 74.5,203.4 74.45,203.35 74.45,202.8 74.5,202.75 76.1,202.75 76.2,202.65 76.2,201.8 76.3,201.7 76.55,201.7 76.8,201.45 76.8,200.85 76.95,200.7 85.3,200.7 85.45,200.85 85.45,203.3 85.35,203.4
NetC370_2 on L1 Top (solid shape): 95.95,235.2 95.85,235.3 95.85,236 95.8,236.05 95.1,236.05 95.05,236 95.05,235.3 94.95,235.2 88.75,235.2 88.7,235.15 88.7,234.6 88.75,234.55 90.35,234.55 90.45,234.45 90.45,233.6 90.55,233.5 90.8,233.5 91.05,233.25 91.05,232.65 91.2,232.5 99.55,232.5 99.7,232.65 99.7,235.1 99.6,235.2
NetC397_2 on L1 Top (solid shape): 110.2,203.4 110.1,203.5 110.1,204.2 110.05,204.25 109.35,204.25 109.3,204.2 109.3,203.5 109.2,203.4 103,203.4 102.95,203.35 102.95,202.8 103,202.75 104.6,202.75 104.7,202.65 104.7,201.8 104.8,201.7 105.05,201.7 105.3,201.45 105.3,200.85 105.45,200.7 113.8,200.7 113.95,200.85 113.95,203.3 113.85,203.4
NetC431_2 on L1 Top (solid shape): 138.7,203.4 138.6,203.5 138.6,204.2 138.55,204.25 137.85,204.25 137.8,204.2 137.8,203.5 137.7,203.4 131.5,203.4 131.45,203.35 131.45,202.8 131.5,202.75 133.1,202.75 133.2,202.65 133.2,201.8 133.3,201.7 133.55,201.7 133.8,201.45 133.8,200.85 133.95,200.7 142.3,200.7 142.45,200.85 142.45,203.3 142.35,203.4
NetC458_2 on L1 Top (solid shape): 181.45,235.2 181.35,235.3 181.35,236 181.3,236.05 180.6,236.05 180.55,236 180.55,235.3 180.45,235.2 174.25,235.2 174.2,235.15 174.2,234.6 174.25,234.55 175.85,234.55 175.95,234.45 175.95,233.6 176.05,233.5 176.3,233.5 176.55,233.25 176.55,232.65 176.7,232.5 185.05,232.5 185.2,232.65 185.2,235.1 185.1,235.2
NetC485_2 on L1 Top (solid shape): 167.2,203.4 167.1,203.5 167.1,204.2 167.05,204.25 166.35,204.25 166.3,204.2 166.3,203.5 166.2,203.4 160,203.4 159.95,203.35 159.95,202.8 160,202.75 161.6,202.75 161.7,202.65 161.7,201.8 161.8,201.7 162.05,201.7 162.3,201.45 162.3,200.85 162.45,200.7 170.8,200.7 170.95,200.85 170.95,203.3 170.85,203.4
NetF1_1 on L1 Top: 108.75,243 109.25,243.5 126.5,243.5 129,241 129,232.75 128,231.75 116.45,231.75 108.75,239.45
NetF1_1 on L5 Inner4 (PWR): 108.75,243 109.25,243.5 126.5,243.5 129,241 129,232.75 128,231.75 116.45,231.75 108.75,239.45
NetL9_2 on L1 Top: 189.45,35.8 192.15,35.8 193.1,36.75 193.65,36.75 193.65,36 193.2,36 191.75,34.55 189.45,34.55
NetL20_1 on L1 Top (solid shape): 136.45,159.9 136.3,160.05 136.3,160.75 135.9,160.75 135.9,158.45 134.95,157.5 134.59,157.5 134.35,157.26 134.35,153.05 134.45,152.95 136.1,152.95 136.45,153.3
NetL21_2 on L1 Top (solid shape): 186.45,209.4 186.45,208.9 185.2,207.65 185.2,205.1 185.25,205.05 186.8,205.05 187.25,205.5 187.25,209.35 187.2,209.4
VTTDDR on L1 Top: 74.5,30 74.6,29.9 74.6,28.5 74.5,28.4 74,28.4 73.8,28.2 73.3,28.2 73,27.9 73,27.5 69,27.5 67,29.5 67,44.6 67.5,45.1 68.8,45.1 68.8,37.2 68.5,36.9 68.5,32.2 68.2,31.9 68.2,31.3 69.5,30
VTTDDR on L12 Bottom: 65.2,41.7 68.3,41.7 68.9,41.1 68.9,38.8 68.3,38.2 65.2,38.2 65.1,38.3 65.1,41.6
VTTVREF on L5 Inner4 (PWR): 119.8,85 120,84.8 120,62.1 134.8,47.3 134.8,32.3 123.9,21.4 74.3,21.4 72.6,23.1 72.6,55.7 92.1,75.2 94.7,75.2 95,75.5 95,78.1 101.9,85

Small or netless copper shapes (teardrops, artwork), in the pictures only: 10 on L1 Top

## Text on the board
L12 Bottom: 12
Mechanical 10: 2119 | 2088 | 896 | 12 | 57 | 8 | 28 | 1 | 54 | 52 | 40 | 14 | 4 | 56 | 9 | 2 | 6 | 7 | 11 | 5503 Total | 0,200mm (7,87mil) | 0,300mm (11,81mil) | 0,600mm (23,62mil) | 0,700mm (27,56mil) | 0,750mm (29,53mil) | 0,800mm (31,50mil) | 0,900mm (35,43mil) | 1,000mm (39,37mil) | 1,050mm (41,34mil) | 1,100mm (43,31mil) | 1,150mm (45,28mil) | 1,200mm (47,24mil) | 1,600mm (62,99mil) | 1,650mm (64,96mil) | 1,750mm (68,90mil) | 1,800mm (70,87mil) | 2,300mm (90,55mil) | 3,000mm (118,11mil) | 3,200mm (125,98mil) | 3,700mm (145,67mil) | 4,400mm (173,23mil) | = Routed Path Length + Tool Size = Slot length as defined in the PCB layout | = Calculated from tool start centre position to tool end centre position. | PTH | NPTH | Round | Slot | L1 Top - L12 Bottom | Via | Pad | Rounded | (Mixed) | Rectangle | Slot definitions : | Routed Path Length | Hole Length | K | J | C | H | A | L | M | D | F | E | B | G | I | Symbol | Count | Hole Size | Plated | Hole Type | Drill Layer Pair | Via/Pad | Pad Shape
L1 Top: 1
Top Overlay: Initialized | Reset State | Config Complete | SFP+ 3 Link | SFP+ 3 ACT | SFP+ 2 Link | SFP+ 2 ACT | SFP+ 1 Link | SFP+ 1 ACT | SFP+ 0 Link | SFP+ 0 ACT | SSD SATA M.2 B-Key 2280 | FPGA M0 | FPGA M2 | FPGA M1 | CM4 Activity | CM4 Power | LED0 | LED1 | LED2 | LED3 | LED4 | LED5 | LED6 | LED7 | VCC5V | VCC1V8 | _AUX | VCC1V5 | AVTT | MGT | VCC1V0 | _FPGA | AVCC | VCC_CRUVI | VCC3V3 | VCC2V5 | FPGA Prog | FPGA RST | JTAG | CM4 Gbit | SSD1306 OLED | Power | FAN | CM4 USB | FPGA HDMI In | FPGA HDMI Out | CM4 µSD | CM4 Flash | CM4 HDMI Out | FPGA SD UHS II | Debug | PCB Rev 2.0 22.05.2025 / Stackup: JLC12161H-2313A | FPGA Fan 5V | CM4 Fan 5V | a joint project by / PCB Arts | Symbiotic EDA | Gisselquist Technologies | Hans Baier | Front / Panel | SFP+ 3 | SFP+ 0 | SFP+ 2 | SFP+ 1 | Wake | Cruvi | KlusterLab 2.0
L2 Inner1 (GND): 2
L3 Inner2 (Sig): 3
L4 Inner3 (GND): 4
L5 Inner4 (PWR): 5
L6 Inner5 (PWR): 6
L7 Inner6 (PWR): 7
L8 Inner7 (PWR): 8
L9 Inner8 (GND): 9
L10 Inner9 (Sig): 10
L11 Inner10 (GND): 11
